# Allegro board RK3576_TEMPLATE_LP4XD200P132SD6_24X34_2133MHz_H1R6_V11_20240529YWQ.brd
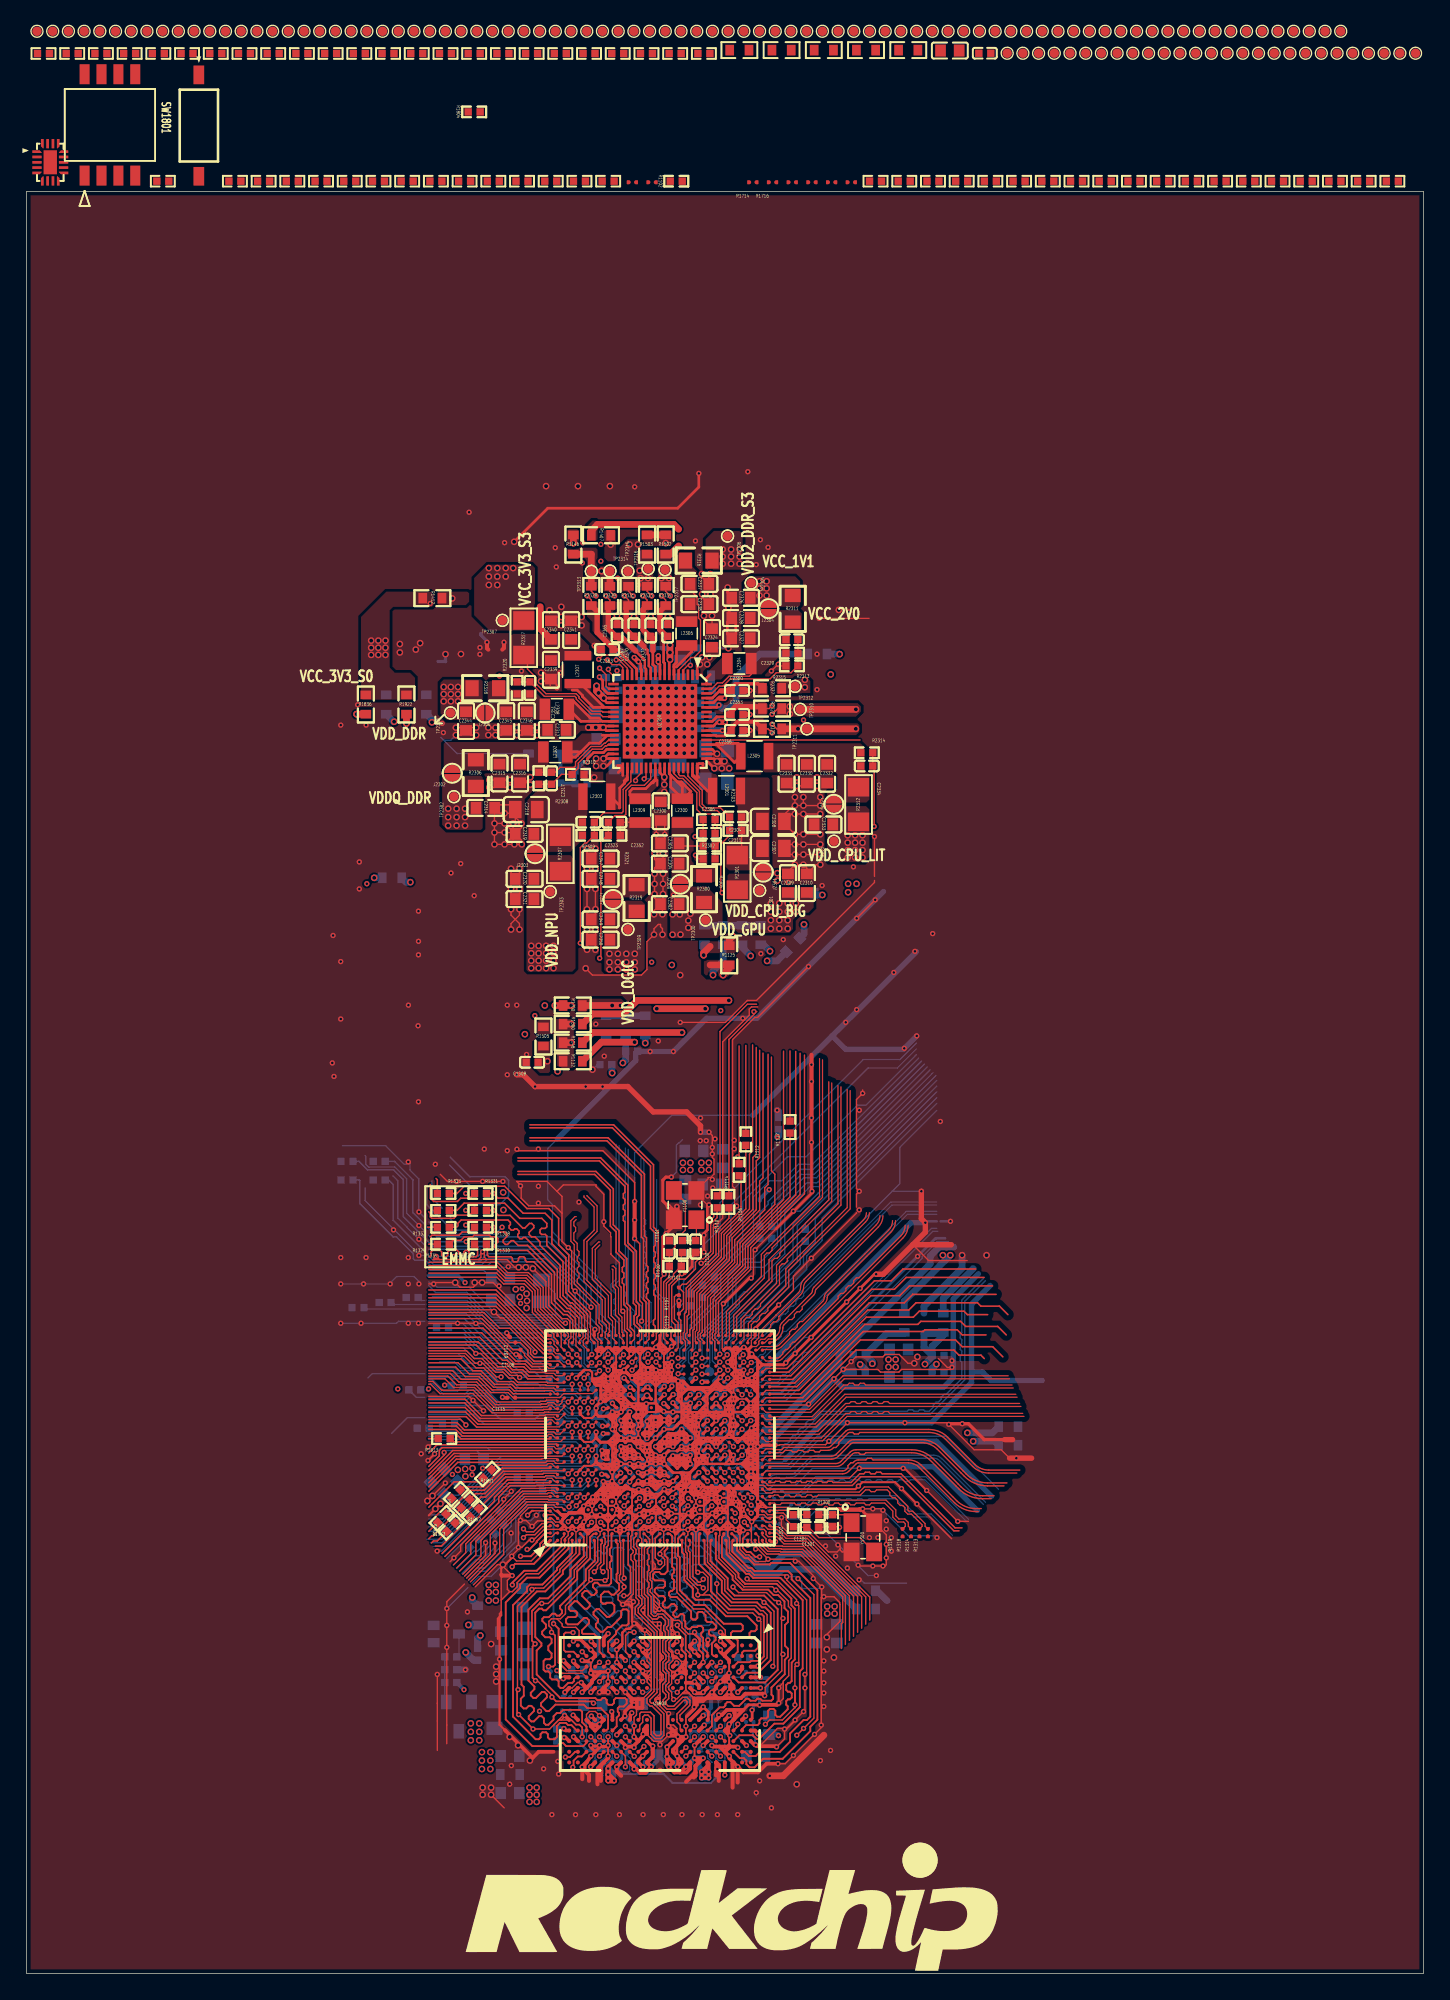
[diagram p0: board, top side]
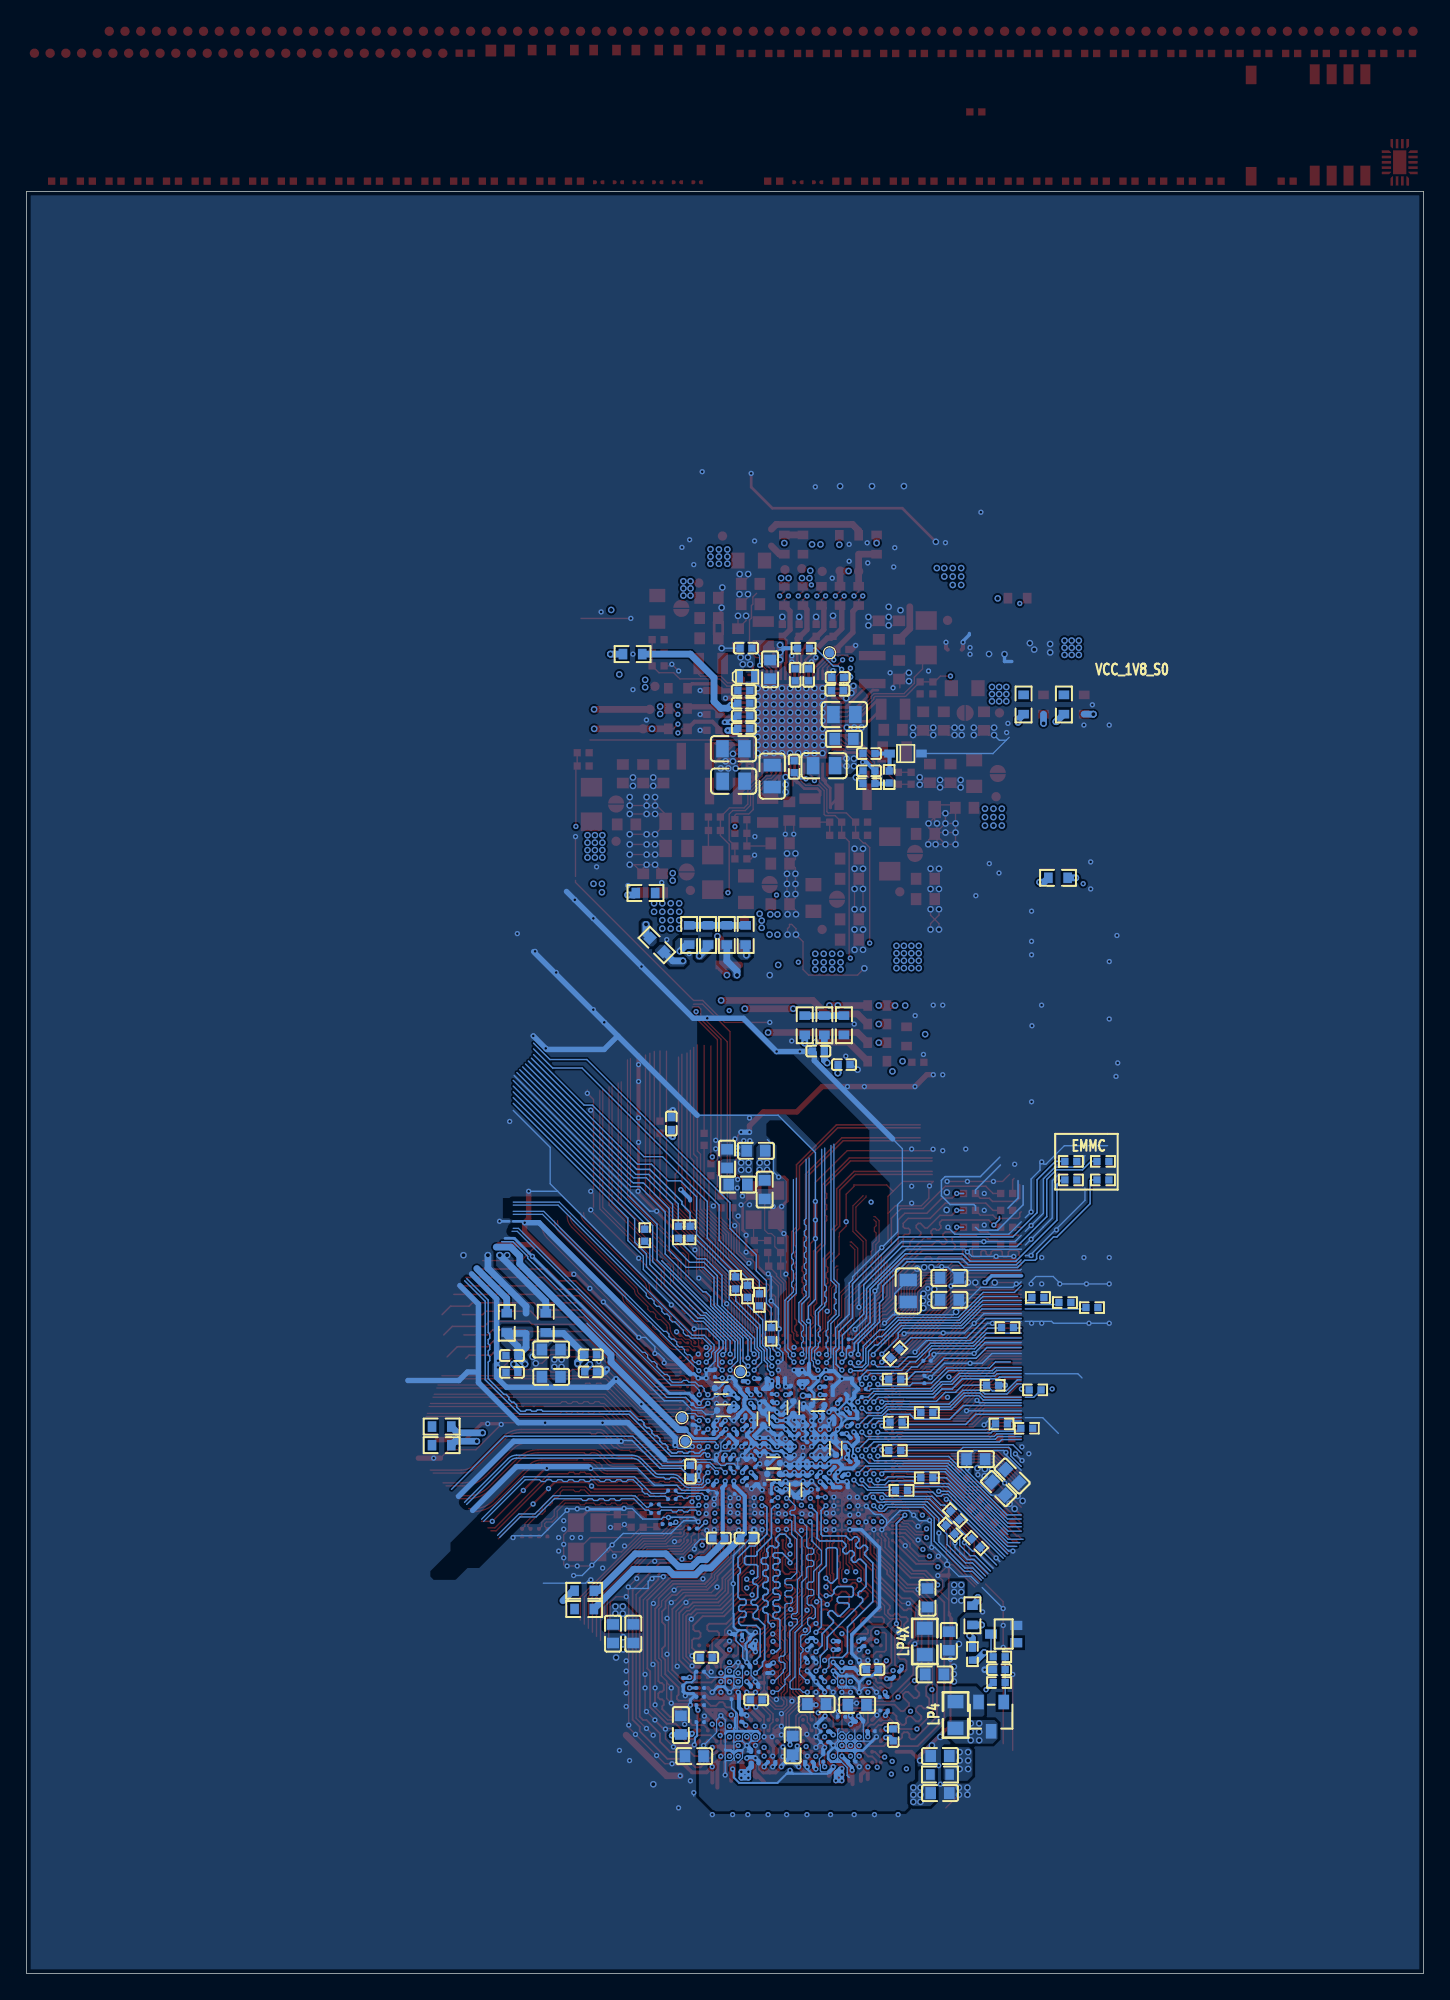
[diagram p1: board, bottom side, seen from below]

Outline 105.03 x 133.99 mm; copper layers: TOP, L2-GND, L3-POWER, L4-SIG, L5-GND, BOTTOM. Coordinates in mm from the lower left corner of the outline.
Outline path: 0,133.99 0,0 105.03,0 105.03,133.99 0,133.99

## Design rules (mm)
net group CON0_TX0_CLK: nets MIPI_DPHY_DSI_TX_CLKN MIPI_DPHY_DSI_TX_CLKP
net group CON0_TX0_D0: nets MIPI_DPHY_DSI_TX_D0N MIPI_DPHY_DSI_TX_D0P
net group CON0_TX0_D1: nets MIPI_DPHY_DSI_TX_D1N MIPI_DPHY_DSI_TX_D1P
net group CON0_TX0_D2: nets MIPI_DPHY_DSI_TX_D2N MIPI_DPHY_DSI_TX_D2P
net group CON0_TX0_D3: nets MIPI_DPHY_DSI_TX_D3N MIPI_DPHY_DSI_TX_D3P
net group DP_AUX: nets DP_TX_AUXN DP_TX_AUXP
net group EMMC_CMD: nets EMMC_CMD GPIO1_B0
net group EMMC_D0: nets EMMC_D0 FSPI0_D0/EMMC_D0
net group EMMC_D1: nets EMMC_D1 FSPI0_D1/EMMC_D1
net group EMMC_D2: nets EMMC_D2 FSPI0_D2/EMMC_D2
net group EMMC_D3: nets EMMC_D3 FSPI0_D3/EMMC_D3
net group EMMC_D4: nets EMMC_D4 GPIO1_A4
net group EMMC_D5: nets EMMC_D5 GPIO1_A5
net group EMMC_D6: nets EMMC_D6 GPIO1_A6
net group EMMC_D7: nets EMMC_D7 GPIO1_A7
net group EMMC_DATA_STROBE: nets EMMC_DATA_STROBE GPIO1_B2
net group EMMC_RSTN: nets EMMC_RSTN FSPI0_CSN0/EMMC_RSTN
net group GMAC0_TXCLK_M0: nets GMAC0_TXCLK_M0 GPIO3_B6_D
net group GMAC0_TXCTL_M0: nets GMAC0_TXCTL_M0 GPIO3_B3_D
net group GMAC0_TXD0_M0: nets GMAC0_TXD0_M0 GPIO3_B5_D
net group GMAC0_TXD1_M0: nets GMAC0_TXD1_M0 GPIO3_B4_D
net group GMAC0_TXD2_M0: nets GMAC0_TXD2_M0 GPIO3_C3_D
net group GMAC0_TXD3_M0: nets GMAC0_TXD3_M0 GPIO3_C2_D
net group GMAC1_TXCLK_M0: nets GMAC1_TXCLK_M0 GPIO2_C5_D
net group GMAC1_TXCTL_M0: nets GMAC1_TXCTL_M0 GPIO2_D0_D
net group GMAC1_TXD0_M0: nets GMAC1_TXD0_M0 GPIO2_C6_D
net group GMAC1_TXD1_M0: nets GMAC1_TXD1_M0 GPIO2_C7_D
net group GMAC1_TXD2_M0: nets GMAC1_TXD2_M0 GPIO2_C3_D
net group GMAC1_TXD3_M0: nets GMAC1_TXD3_M0 GPIO2_C4_D
net group GPIO1_C1_D: nets GPIO1_C1_D SDMMC1_CLK_M0
net group HDMI_TX0: nets HDMI_TX_D0N HDMI_TX_D0P
net group HDMI_TX1: nets HDMI_TX_D1N HDMI_TX_D1P
net group HDMI_TX2: nets HDMI_TX_D2N HDMI_TX_D2P
net group HDMI_TX3: nets HDMI_TX_D3N HDMI_TX_D3P
net group HDMITX_SBD: nets HDMI_TX_SBDN HDMI_TX_SBDP
net group M2_PCIE21_0_RX: nets PCIE1_RXN PCIE1_RXP
net group MIPI_CSI1\2_D2: nets MIPI_DPHY_CSI1_RX_D2N/MIPI_DPHY_CSI2_RX_D0N MIPI_DPHY_CSI1_RX_D2P/MIPI_DPHY_CSI2_RX_D0P
net group MIPI_CSI1\2_D3: nets MIPI_DPHY_CSI1_RX_D3N/MIPI_DPHY_CSI2_RX_D1N MIPI_DPHY_CSI1_RX_D3P/MIPI_DPHY_CSI2_RX_D1P
net group MIPI_CSI1_CLK: nets MIPI_DPHY_CSI1_RX_CLKN MIPI_DPHY_CSI1_RX_CLKP
net group MIPI_CSI1_D0: nets MIPI_DPHY_CSI1_RX_D0N MIPI_DPHY_CSI1_RX_D0P
net group MIPI_CSI1_D1: nets MIPI_DPHY_CSI1_RX_D1N MIPI_DPHY_CSI1_RX_D1P
net group MIPI_CSI2_CLK1: nets MIPI_DPHY_CSI2_RX_CLKN MIPI_DPHY_CSI2_RX_CLKP
net group MIPI_CSI3/4_D2: nets MIPI_DPHY_CSI3_RX_D2N/MIPI_DPHY_CSI4_RX_D0N MIPI_DPHY_CSI3_RX_D2P/MIPI_DPHY_CSI4_RX_D0P
net group MIPI_CSI3/4_D3: nets MIPI_DPHY_CSI3_RX_D3N/MIPI_DPHY_CSI4_RX_D1N MIPI_DPHY_CSI3_RX_D3P/MIPI_DPHY_CSI4_RX_D1P
net group MIPI_CSI3_CLK: nets MIPI_DPHY_CSI3_RX_CLKN MIPI_DPHY_CSI3_RX_CLKP
net group MIPI_CSI3_D0: nets MIPI_DPHY_CSI3_RX_D0N MIPI_DPHY_CSI3_RX_D0P
net group MIPI_CSI3_D1: nets MIPI_DPHY_CSI3_RX_D1N MIPI_DPHY_CSI3_RX_D1P
net group MIPI_CSI4_CLK: nets MIPI_DPHY_CSI4_RX_CLKN MIPI_DPHY_CSI4_RX_CLKP
net group PCIE0_SOC_REFCLKN: nets PCIE0_SOC_REFCLKN WIFI_PCIE0_REFCLKN
net group PCIE0_SOC_REFCLKP: nets PCIE0_SOC_REFCLKP WIFI_PCIE0_REFCLKP
net group PCIE0_SOC_RXN: nets PCIE0_SOC_RXN WIFI_PCIE0_RXN
net group PCIE0_SOC_RXP: nets PCIE0_SOC_RXP WIFI_PCIE0_RXP
net group PCIE0_SOC_TXN: nets PCIE0_SOC_TXN WIFI_PCIE0_TXN
net group PCIE0_SOC_TXP: nets PCIE0_SOC_TXP WIFI_PCIE0_TXP
net group PCIE1_REFCLKN: nets PCIE1_REFCLKN PCIE_CLKIC_0_REFCLKN
net group PCIE1_REFCLKP: nets PCIE1_REFCLKP PCIE_CLKIC_0_REFCLKP
net group PCIE21_0_TX: nets PCIE1_TXN PCIE1_TXP
net group PCIE21_1_RX/USB3_HOST1_SSRX: nets PCIE1_RXN/USB3_HOST1_SSRXN PCIE1_RXP/USB3_HOST1_SSRXP
net group PCIE21_1_TX/USB3_HOST1_SSTX: nets PCIE1_TXN/USB3_HOST1_SSTXN PCIE1_TXP/USB3_HOST1_SSTXP
net group SDMMC0_CMD: nets SDMMC0_CMD SDMMC0_CMD/UART5_RX_M2/I2C5_SDA_M0
net group SDMMC0_D0: nets SDMMC0_D0 SDMMC0_D0/CAN0_RX_M0
net group SDMMC0_D1: nets SDMMC0_D1 SDMMC0_D1/CAN0_TX_M0
net group SDMMC0_D2: nets SDMMC0_D2 SDMMC0_D2/JTAG_TCK_M0
net group SDMMC0_D3: nets SDMMC0_D3 SDMMC0_D3/JTAG_TMS_M0
net group TYPEC_D: nets USB2_OTG0_DM USB2_OTG0_DP
net group TYPEC_RX1: nets USB3_OTG0_SSRX1N/DP_TX_D0N USB3_OTG0_SSRX1P/DP_TX_D0P
net group TYPEC_RX2: nets USB3_OTG0_SSRX2N/DP_TX_D2N USB3_OTG0_SSRX2P/DP_TX_D2P
net group TYPEC_TX1: nets USB3_OTG0_SSTX1N/DP_TX_D1N USB3_OTG0_SSTX1P/DP_TX_D1P
net group TYPEC_TX2: nets USB3_OTG0_SSTX2N/DP_TX_D3N USB3_OTG0_SSTX2P/DP_TX_D3P
net group UFS_RX0N: nets UFS_RX0N UFS_RX_D0N
net group UFS_RX0P: nets UFS_RX0P UFS_RX_D0P
net group UFS_RX1N: nets UFS_RX1N UFS_RX_D1N
net group UFS_RX1P: nets UFS_RX1P UFS_RX_D1P
net group UFS_TX0N: nets UFS_TX0N UFS_TX_D0N
net group UFS_TX0P: nets UFS_TX0P UFS_TX_D0P
net group UFS_TX1N: nets UFS_TX1N UFS_TX_D1N
net group UFS_TX1P: nets UFS_TX1P UFS_TX_D1P
net group USB20_OTG1_D: nets USB2_HOST1_DM USB2_HOST1_DP
net group USB30_HOST_SSRX: nets USB3_HOST1_SSRXN USB3_HOST1_SSRXP
net group USB30_HOST_SSTX: nets USB3_HOST1_SSTXN USB3_HOST1_SSTXP
net group VCCIO0_1V8: nets VCC_1V8_S0 VCCIO0_1V8
net group 50OHM: nets GMAC0_MDC_M0 GMAC0_MDIO_M0 GMAC0_RSTN GMAC0_RXCLK_M0 GMAC0_RXCTL_M0 GMAC0_RXD0_M0 GMAC0_RXD1_M0 GMAC0_RXD2_M0 GMAC0_RXD3_M0 GMAC1_MDC_M0 GMAC1_MDIO_M0 GMAC1_RSTN GMAC1_RXCLK_M0 GMAC1_RXCTL_M0 GMAC1_RXD0_M0 GMAC1_RXD1_M0 GMAC1_RXD2_M0 GMAC1_RXD3_M0 SDMMC0_DET_L UFS_REFCLK UFS_RSTN UFS_SOC_REFCLK UFS_SOC_RSTN
net group D\CPHY_CSI: nets MIPI_DPHY_CSI0_RX_CLKN/MIPI_CPHY_CSI_RX_TRIO1_B MIPI_DPHY_CSI0_RX_CLKP/MIPI_CPHY_CSI_RX_TRIO1_C MIPI_DPHY_CSI0_RX_D0N/MIPI_CPHY_CSI_RX_TRIO0_A MIPI_DPHY_CSI0_RX_D0P/MIPI_CPHY_CSI_RX_TRIO0_B MIPI_DPHY_CSI0_RX_D1N/MIPI_CPHY_CSI_RX_TRIO0_C MIPI_DPHY_CSI0_RX_D1P/MIPI_CPHY_CSI_RX_TRIO1_A MIPI_DPHY_CSI0_RX_D2N/MIPI_CPHY_CSI_RX_TRIO2_A MIPI_DPHY_CSI0_RX_D2P/MIPI_CPHY_CSI_RX_TRIO2_B MIPI_DPHY_CSI0_RX_D3N/MIPI_CPHY_CSI_RX_TRIO2_C MIPI_DPHY_CSI0_RX_D3P/NO_USE
net group DDR_CA: nets LPDDR4_CSN0_A LPDDR4_CSN0_B LPDDR4_CSN1_A LPDDR4_CSN1_B LPDDR4_RESET
net group EMMC_CLKOUT: nets EMMC_CLKOUT FSPI0_CLK/EMMC_CLK N19625800
net group M_DDR_A_CA: nets LPDDR4_A0_A LPDDR4_A1_A LPDDR4_A2_A LPDDR4_A3_A LPDDR4_A4_A LPDDR4_A5_A LPDDR4_CKE0_A LPDDR4_CKE1_A
net group M_DDR_A_CLK_DQS: nets LPDDR4_CLKN_A LPDDR4_CLKP_A LPDDR4_DQS0N_A LPDDR4_DQS0P_A LPDDR4_DQS1N_A LPDDR4_DQS1P_A
net group M_DDR_A_DATA0: nets LPDDR4_DMI0_A LPDDR4_DQ0_A LPDDR4_DQ1_A LPDDR4_DQ2_A LPDDR4_DQ3_A LPDDR4_DQ4_A LPDDR4_DQ5_A LPDDR4_DQ6_A LPDDR4_DQ7_A
net group M_DDR_A_DATA1: nets LPDDR4_DMI1_A LPDDR4_DQ8_A LPDDR4_DQ9_A LPDDR4_DQ10_A LPDDR4_DQ11_A LPDDR4_DQ12_A LPDDR4_DQ13_A LPDDR4_DQ14_A LPDDR4_DQ15_A
net group M_DDR_B_CA: nets LPDDR4_A0_B LPDDR4_A1_B LPDDR4_A2_B LPDDR4_A3_B LPDDR4_A4_B LPDDR4_A5_B LPDDR4_CKE0_B LPDDR4_CKE1_B
net group M_DDR_B_CLK_DQS: nets LPDDR4_CLKN_B LPDDR4_CLKP_B LPDDR4_DQS0N_B LPDDR4_DQS0P_B LPDDR4_DQS1N_B LPDDR4_DQS1P_B
net group M_DDR_B_DATA0: nets LPDDR4_DMI0_B LPDDR4_DQ0_B LPDDR4_DQ1_B LPDDR4_DQ2_B LPDDR4_DQ3_B LPDDR4_DQ4_B LPDDR4_DQ5_B LPDDR4_DQ6_B LPDDR4_DQ7_B
net group M_DDR_B_DATA1: nets LPDDR4_DMI1_B LPDDR4_DQ8_B LPDDR4_DQ9_B LPDDR4_DQ10_B LPDDR4_DQ11_B LPDDR4_DQ12_B LPDDR4_DQ13_B LPDDR4_DQ14_B LPDDR4_DQ15_B
net group SDMMC0_CLK: nets N19625788 SDMMC0_CLK SDMMC0_CLK/UART5_TX_M2/I2C5_SCL_M0
net group VCCIO1: nets VCCIO1

## Placement (name value [footprint] x y rotation side)
C1000  100nF  [C0201]  50.58 40.43 0 bottom
C1001  100nF  [C0201]  48.26 40.87 90 bottom
C1002  1uF  [C0201]  48.28 39.56 270 bottom
C1003  1uF  [C0201]  47.63 39 270 bottom
C1004  1uF  [C0201]  47.63 40.19 90 bottom
C1005  1uF  [C0201]  48.86 40.87 90 bottom
C1006  10uF  [C0402_BGA]  49.63 41.7 90 bottom
C1007  22uF  [C0603]  52.36 61.26 90 bottom
C1008  NC/22uF  [C0603]  51.54 59.31 0 bottom
C1009  100nF  [C0201]  50.25 38.34 90 bottom
C1010  1uF  [C0201]  50.22 39.56 90 bottom
C1011  1uF  [C0201]  49.57 39.56 90 bottom
C1012  10uF  [C0402_BGA]  48.86 38.37 180 bottom
C1013  22uF  [C0603]  65.58 44.85 0 bottom
C1014  NC/22uF  [C0603]  65.58 46.91 0 bottom
C1015  100nF  [C0201]  46.98 40.86 270 bottom
C1016  100nF  [C0201]  46.04 40.59 180 bottom
C1017  1uF  [C0201]  46.05 41.23 180 bottom
C1018  1uF  [C0201]  46.63 42.16 90 bottom
C1020  10uF  [C0402_BGA]  47.38 42.54 90 bottom
C1021  22uF  [C0603]  49.53 58.93 270 bottom
C1022  22uF  [C0603]  50.19 61.85 0 bottom
C1023  1uF  [C0201]  48.93 42.14 90 bottom
C1024  100nF  [C0201]  46.04 39.93 180 bottom
C1026  100nF  [C0201]  45.03 39.66 90 bottom
C1027  1uF  [C0201]  45.03 38.36 270 bottom
C1028  1uF  [C0201]  45.68 38.36 270 bottom
C1029  10uF  [C0402_BGA]  44.18 39.47 90 bottom
C1030  22uF  [C0603]  31.94 36.45 225 bottom
C1031  22uF  [C0603]  33.66 38.66 0 bottom
C1032  100nF  [C0201]  44.38 42.15 90 bottom
C1033  100nF  [C0201]  45.41 41.88 0 bottom
C1034  1uF  [C0201]  44.03 41.29 180 bottom
C1035  1uF  [C0201]  45.02 40.86 270 bottom
C1036  10uF  [C0402_BGA]  45.52 42.72 0 bottom
C1037  22uF  [C0603]  35.64 50.64 180 bottom
C1038  22uF  [C0603]  35.64 52.29 180 bottom
C1039  22uF  [C0603]  30.92 37.4 225 bottom
C1040  47uF  [C0805]  38.73 51.31 90 bottom
C1100  18pF  [C0402]  50.31 54.65 270 top
C1101  18pF  [C0402]  48.33 54.65 90 top
C1102  100nF  [C0201]  49.26 43 0 bottom
C1103  100nF  [C0201]  49.92 43.94 180 bottom
C1104  100nF  [C0201]  47.56 43.9 90 bottom
C1105  100nF  [C0201]  48.28 44.74 180 bottom
C1106  100nF  [C0201]  49.65 44.71 180 bottom
C1107  100nF  [C0201]  50.18 36.97 270 bottom
C1108  1nF  [C0201]  37.14 46.61 270 top
C1109  1nF  [C0201]  36.55 47.63 135 top
C1110  1nF  [C0201]  37.52 44.65 90 bottom
C1111  1nF  [C0201]  42.22 43.93 0 bottom
C1112  1nF  [C0201]  42.52 43.33 0 bottom
C1113  1nF  [C0201]  42.68 44.72 0 bottom
C1114  1nF  [C0201]  37.32 46.06 180 bottom
C1115  1nF  [C0201]  36.44 43.28 180 top
C1116  100nF  [C0201]  43.39 42.1 0 bottom
C1117  100nF  [C0201]  49 43.85 90 bottom
C1118  100nF  [C0201]  50.33 42.23 270 bottom
C1119  100nF  [C0201]  49.05 49.89 90 top
C1200  100nF  [C0201]  48.27 36.45 270 bottom
C1201  1uF  [C0201]  46.36 36.41 270 bottom
C1202  1uF  [C0201]  49.26 36.8 0 bottom
C1203  10uF  [C0402_BGA]  47.21 36.35 270 bottom
C1204  22uF  [C0603]  37.29 28.24 90 bottom
C1205  22uF  [C0603]  35.68 25 270 bottom
C1206  100nF  [C0201]  47.63 37.72 90 bottom
C1207  1uF  [C0201]  46.33 37.71 90 bottom
C1208  1uF  [C0201]  46.98 37.71 90 bottom
C1209  10uF  [C0402_BGA]  48.86 37.55 0 bottom
C1210  22uF  [C0603]  60.93 25.54 270 bottom
C1211  22uF  [C0603]  59.41 25.54 270 bottom
C1212  1uF  [C0201]  44.66 36.55 180 bottom
C1213  1uF  [C0201]  45.34 37.33 180 bottom
C1214  1uF  [C0201]  43.99 38.07 180 bottom
C1300  100nF  [C0201]  50.91 38.34 90 bottom
C1301  18pF  [C0402]  60.61 34.04 270 top
C1302  1uF  [C0201]  51.79 36.33 270 bottom
C1303  1uF  [C0402]  50.89 32.73 180 bottom
C1304  18pF  [C0402]  59.12 33.54 0 top
C1305  1uF  [C0201]  52.92 36.3 315 bottom
C1306  1uF  [C0402]  52.98 32.73 0 bottom
C1307  100nF  [C0201]  50.86 36.97 270 bottom
C1308  1uF  [C0201]  44.52 45.02 90 bottom
C1309  100nF  [C0201]  42.76 41.53 135 bottom
C1400  1uF  [C0201]  50.94 39.56 270 bottom
C1401  NC/1uF  [C0402]  62.61 46.51 180 bottom
C1402  1uF  [C0201]  51.83 38.64 180 bottom
C1403  NC/1uF  [C0402]  68.54 45.19 0 bottom
C1404  100nF  [C0402]  55.12 37.74 270 bottom
C1405  100nF  [C0201]  52.22 40.21 90 bottom
C1406  100nF  [C0201]  52.93 38.57 0 bottom
C1407  NC/1uF  [C0402]  68.54 46.45 0 bottom
C1408  100nF  [C0201]  53.09 40.57 0 bottom
C1409  100nF  [C0201]  54.97 43.08 90 bottom
C1500  100nF  [C0201]  51.1 43.92 0 bottom
C1501  1uF  [C0402]  56.55 63.9 90 bottom
C1502  1uF  [C0201]  51.45 44.53 0 bottom
C1503  1uF  [C0201]  51.62 40.24 270 bottom
C1504  1uF  [C0201]  50.58 41.2 180 bottom
C1505  1uF  [C0402]  62.61 45.22 180 bottom
C1506  1uF  [C0201]  51.26 41.96 0 bottom
C1507  100nF  [C0201]  44.69 43.49 180 bottom
C1508  1uF  [C0402]  38.01 68.5 180 top
C1509  1uF  [C0201]  53.09 41.23 0 bottom
C1510  1uF  [C0201]  44.69 44.12 180 bottom
C1600  1uF  [C0201]  51.23 43.23 180 bottom
C1601  4.7uF  [C0402_BGA]  52.8 44 0 bottom
C1602  1uF  [C0201]  51.26 42.57 180 bottom
C1603  4.7uF  [C0402_BGA]  52.64 42.33 0 bottom
C1700  1uF  [C0201]  46.18 43.69 90 bottom
C1701  100nF  [C0201]  46.96 44.74 90 bottom
C1702  4.7uF  [C0402]  43.56 68.33 180 bottom
C1703  1uF  [C0201]  46.33 44.79 90 bottom
C1704  4.7uF  [C0402]  45.5 69.34 0 bottom
C1705  100nF  [C0402]  72.05 144.37 0 top
C1706  10uF  [C0603]  69.42 144.57 0 top
C1800  100nF  [C0201]  43.98 37.36 0 bottom
C1801  100nF  [C0201]  43.62 43.36 135 bottom
C1802  100nF  [C0201]  51.83 38.03 180 bottom
C1900  NC/100nF  [C0201]  42.79 40.26 180 bottom
C1901  1uF  [C0201]  44.02 40.57 0 bottom
C1902  NC/100nF  [C0201]  43.19 39.65 180 bottom
C1903  1uF  [C0201]  42.8 38.45 180 bottom
C2300  10uF  [C0603]  47.68 87.38 270 top
C2301  22uF  [C0805]  51.87 89.64 180 bottom
C2302  NC/22uF  [C0603]  48.37 80.39 180 top
C2304  NC22uF  [C0603]  48.37 83.44 180 top
C2305  NC/22uF  [C0603]  48.37 84.96 180 top
C2306  NC/1uF  [C0402]  51.32 85.72 0 top
C2307  47uF  [C0805]  56.16 84.58 0 top
C2308  47uF  [C0805]  56.16 86.61 0 top
C2309  NC/22uF  [C0603]  57.25 81.97 90 top
C2310  NC/22uF  [C0603]  58.67 81.97 90 top
C2311  1uF  [C0402]  53.31 86.95 180 top
C2312  10uF  [C0603]  39.87 93.5 180 top
C2313  22uF  [C0805]  45.06 90.8 0 bottom
C2314  NC/10uF  [C0603]  34.49 87.63 0 top
C2315  22uF  [C0603]  35.56 90.22 270 top
C2316  22uF  [C0603]  37.11 90.22 270 top
C2317  100pF  [C0402]  39.48 89.85 270 top
C2318  NC/47uF  [C0805]  37.57 87.5 180 top
C2319  NC/22uF  [C0603]  37.44 85.67 180 top
C2320  NC/22uF  [C0603]  37.44 82.29 180 top
C2321  NC/22uF  [C0603]  37.44 80.77 180 top
C2323  NC/1uF  [C0402]  42.24 86.55 0 top
C2324  10uF  [C0603]  51.53 100.4 90 top
C2325  22uF  [C0805]  51.88 92.07 180 bottom
C2326  NC/10uF  [C0603]  53.72 103.42 180 top
C2327  22uF  [C0603]  53.72 100.38 180 top
C2328  22uF  [C0603]  53.72 101.9 180 top
C2329  100pF  [C0402]  57.54 100.27 0 top
C2330  22uF  [C0603]  58.67 90.19 270 top
C2331  22uF  [C0603]  57.15 90.19 270 top
C2332  22uF  [C0603]  60.19 90.19 270 top
C2333  NC/22uF  [C0603]  59.92 86.38 180 top
C2334  1uF  [C0402]  63.18 90.78 0 top
C2335  10uF  [C0603]  49.12 98.04 270 bottom
C2336  22uF  [C0805]  43.54 94.65 0 bottom
C2337  22uF  [C0603]  50.59 104.47 0 top
C2338  22uF  [C0603]  50.59 102.94 0 top
C2339  22uF  [C0603]  39.43 98.01 270 top
C2340  22uF  [C0603]  39.43 101 90 top
C2341  22uF  [C0603]  40.95 101 90 top
C2342  10uF  [C0603]  43.56 92.81 0 bottom
C2343  22uF  [C0805]  48.97 90.02 90 bottom
C2344  NC/10uF  [C0603]  33.04 94.16 270 top
C2345  22uF  [C0603]  36.06 94.16 270 top
C2346  22uF  [C0603]  37.61 94.16 270 top
C2347  22uF  [C0603]  43.16 83.82 180 top
C2348  22uF  [C0603]  43.16 82.29 180 top
C2349  NC/22uF  [C0603]  43.16 79.25 180 top
C2350  NC/22uF  [C0603]  43.16 77.72 180 top
C2351  1uF  [C0402]  37.85 96.65 90 top
C2352  1uF  [C0402]  44.19 86.55 180 top
C2353  2.2uF  [C0402]  53.42 94.65 0 top
C2354  1uF  [C0402]  51.1 94.55 180 bottom
C2355  2.2uF  [C0402]  51.1 93.6 180 bottom
C2356  2.2uF  [C0402]  53.42 93.46 0 top
C2357  1uF  [C0402]  44.04 97.43 0 bottom
C2358  2.2uF  [C0402]  51.1 95.5 180 bottom
C2359  1uF  [C0402]  51.1 96.46 180 bottom
C2360  2.2uF  [C0402]  53.42 96.46 0 top
C2361  4.7uF  [C0402]  41.69 91.71 180 bottom
C2362  1uF  [C0402]  44.07 96.47 0 bottom
C2363  2.2uF  [C0402]  43.65 99.54 180 top
C2364  1uF  [C0402]  46.22 97.64 270 bottom
C2365  2.2uF  [C0402]  44.4 100.98 90 top
C2366  10nF  [C0402]  47.31 90.73 90 bottom
C2367  2.2uF  [C0402]  45.67 100.98 90 top
C2368  1nF  [C0402]  41.69 90.41 0 bottom
C2369  100nF  [C0402]  50.94 99.64 0 bottom
C2370  2.2uF  [C0402]  46.94 100.98 90 top
C2371  1uF  [C0402]  47.24 97.64 270 bottom
C2372  2.2uF  [C0402]  48.21 100.98 90 top
C3800  NC/1nF  [C0201]  45.12 16.21 90 bottom
C3801  22uF  [C0603]  54.83 16.33 0 bottom
C3802  10uF  [C0603]  42.58 20.19 0 bottom
C3803  10uF  [C0603]  36.76 22.48 180 bottom
C3804  1uF  [C0402]  53.93 23.75 0 bottom
C3805  1uF  [C0402]  41.44 22.85 0 bottom
C3806  100nF  [C0201]  50.93 23.05 180 bottom
C3807  100nF  [C0201]  42.03 24.89 270 bottom
C3808  100nF  [C0201]  42.4 18.93 0 bottom
C3809  100nF  [C0201]  40.56 19.76 180 bottom
C3810  100nF  [C0201]  43.38 22.7 90 bottom
C3811  100nF  [C0201]  54.38 18.9 0 bottom
C3812  100nF  [C0201]  41.54 18.21 0 bottom
C3813  100nF  [C0201]  54.38 20.8 0 bottom
C3814  100nF  [C0201]  50.27 16.66 180 bottom
C3815  100nF  [C0201]  45.04 17.39 0 bottom
C3816  100nF  [C0201]  51.74 20.62 180 bottom
C3817  100nF  [C0201]  54.38 22.68 0 bottom
C3818  100nF  [C0201]  42.97 15.92 0 bottom
C3819  100nF  [C0201]  40.59 20.78 180 bottom
C3820  10uF  [C0603]  36.35 16.34 0 bottom
C3821  22uF  [C0603]  45.62 20.25 0 bottom
C3822  10uF  [C0603]  47.43 17.14 90 bottom
C3823  10uF  [C0603]  55.84 18.67 90 bottom
C3824  1uF  [C0402]  50.17 20.56 180 bottom
C3825  1uF  [C0402]  39.87 17.93 270 bottom
C3826  100nF  [C0201]  50.65 24.89 90 bottom
C3827  100nF  [C0201]  49 15.89 180 bottom
C3828  100nF  [C0201]  46 24.95 270 bottom
C3829  100nF  [C0201]  46.21 15.9 0 bottom
C3830  100nF  [C0201]  46.19 23.75 180 bottom
C3831  100nF  [C0201]  39.61 22.5 135 bottom
C3832  100nF  [C0201]  55.66 21.92 270 bottom
C3833  100nF  [C0201]  49.33 22.86 270 bottom
C3834  100nF  [C0201]  45.03 21.52 0 bottom
C3835  100nF  [C0201]  43.76 19.29 180 bottom
C3836  10uF  [C0603]  36.35 13.56 180 bottom
C3837  100nF  [C0201]  51.29 19.21 90 bottom
C3838  100nF  [C0201]  50.29 21.56 180 bottom
C3839  100nF  [C0201]  50.27 15.79 180 bottom
C3840  100nF  [C0201]  45.04 18.18 0 bottom
C3841  100nF  [C0201]  51.5 25.47 0 bottom
C3842  100nF  [C0201]  45.59 22.29 0 bottom
C3843  100nF  [C0201]  44.38 15.15 0 bottom
C3844  100nF  [C0201]  43.96 24.66 270 bottom
C3845  1nF  [C0402]  31.9 22.83 0 bottom
D2300  PSUR1610DNV07  [ESD0603]  50.85 97.48 180 bottom
D2301  B5819WS  [SOD_323]  38.94 91.71 0 bottom
J2300  JM  [OPEN]  49.16 81.87 0 top
J2301  JM  [OPEN]  55.39 82.81 180 top
J2302  JM  [OPEN]  32 90.21 0 top
J2303  JM  [OPEN]  38.23 84.2 180 top
J2304  JM  [OPEN]  55.8 102.63 180 top
J2305  JM  [OPEN]  60.7 87.92 180 top
J2306  JM  [OPEN]  34.46 94.76 270 top
J2307  JM  [OPEN]  44.09 80.76 180 top
L2300  0.47uH  [IND_201610]  49.31 87.43 90 top
L2301  0.24uH  [IND_252012]  52.63 88.9 0 top
L2302  0.47uH  [IND_201610]  39.76 91.83 0 top
L2303  0.24uH  [IND_252012]  42.88 88.47 180 top
L2304  0.47uH  [IND_201610]  53.59 98.48 180 top
L2305  0.24uH  [IND_252012]  54.75 91.51 0 top
L2306  0.47uH  [IND_201610]  49.64 100.73 270 top
L2307  0.24uH  [IND_252012]  41.45 98.02 90 top
L2308  0.47uH  [IND_201610]  39.87 95.05 0 top
L2309  0.47uH  [IND_201610]  46.12 87.43 270 top